# Altium PCB MOTHERBOARD.PcbDoc (part 2 of 4)
Units mm, origin at the board's own origin, x right, y up, seen from the top; angles counter-clockwise.
Board outline 187 x 77 mm, 4 copper layers (Top Copper, Signal Layer 1, Signal Layer 2, Bottom Copper), stack 1.57 mm thick; 287 components, 258 nets, 1217 pads, 1564 vias.
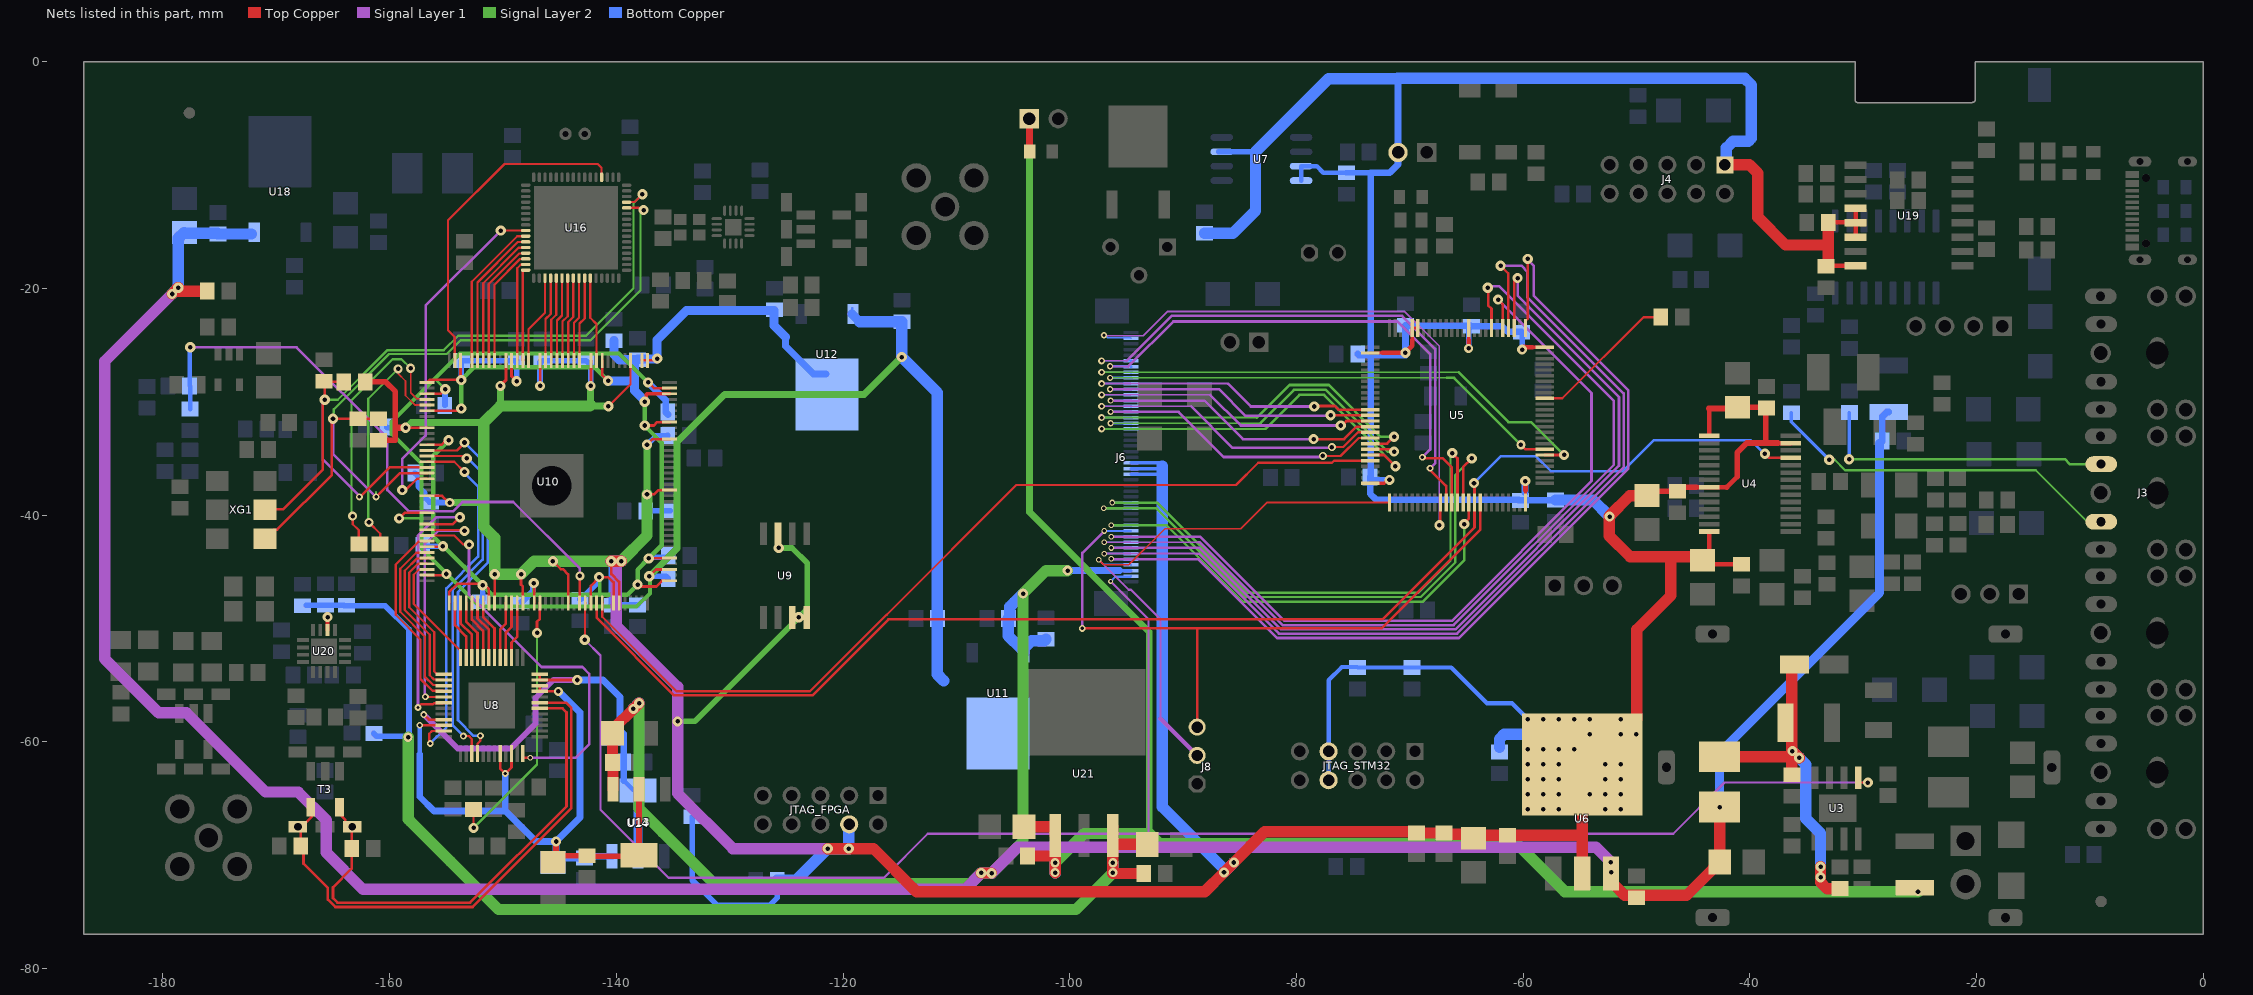
[diagram p4: the nets of this part, all layers, seen from the top]

## Via types
v1: diameter 0.6, hole 0.3, Top Copper to Bottom Copper, tented both sides, 1070 vias
v2: diameter 0.9, hole 0.4, Top Copper to Bottom Copper, tented both sides, 318 vias
v3: diameter 0.5, hole 0.3, Top Copper to Bottom Copper, tented both sides, 87 vias
v4: diameter 0.8, hole 0.4, Top Copper to Bottom Copper, tented both sides, 33 vias
v5: diameter 1, hole 0.7, Top Copper to Bottom Copper, 16 vias
v6: diameter 0.55, hole 0.3, Top Copper to Bottom Copper, tented both sides, 14 vias
v7: diameter 0.7, hole 0.4, Top Copper to Bottom Copper, tented both sides, 8 vias
v8: diameter 4, hole 3, Top Copper to Bottom Copper, 6 vias
v9: diameter 5, hole 3, Top Copper to Bottom Copper, 4 vias
v10: diameter 2, hole 1.5, Top Copper to Bottom Copper, 2 vias
v11: diameter 0.6, hole 0.4, Top Copper to Bottom Copper, tented both sides, 1 vias
v12: diameter 3, hole 2.5, Top Copper to Bottom Copper, 1 vias
v13: diameter 3.5, hole 3, Top Copper to Bottom Copper, 1 vias
v14: diameter 0.5, hole 0.2, Top Copper to Bottom Copper, tented both sides, 1 vias
v15: diameter 4, hole 3.5, Top Copper to Bottom Copper, 1 vias
v16: diameter 0.45, hole 0.2, Top Copper to Bottom Copper, tented both sides, 1 vias

## Nets (pads, with @x,y where several pads share a name; then routed paths per layer and width w, separated by ;. In a path a pad name is that pad's centre, name@x,y a point inside that pad or via, vN(x,y) a via of type N, cw(c..) or ccw(c..) an arc to the next point about the centre after c; other vN are vias at no path point)
5V: C2.1 C6.2 L1.2 L37.2 R2.2 | length 35.5
  Top Copper w1: L37.2@-42.675,-61.314 v2@-35.761,-61.314 ; -36.313,-61.413 -36.313,-62.887 C6.2@-36.3,-62.9 ; v2@-36.313,-60.825 -36.313,-58.337 -36.325,-58.325 -36.325,-53.425 C2.1@-36.075,-53.175 ; v2(-36.25,-60.825) v2(-35.663,-61.413) ; v2(-33.775,-71.025) v2(-33.775,-71.95) -33.775,-72.389 -33.189,-72.975 -32.8,-72.975 ; R2.2@-32.2,-72.8 R2.2@-32.05,-72.95
  Signal Layer 1 w1: v2(-36.25,-60.825) v2(-35.663,-61.413) ; v2(-33.775,-71.95) v2(-33.775,-71.025)
  Signal Layer 2 w1: v2(-36.25,-60.825) v2(-35.663,-61.413) ; v2(-33.775,-71.95) v2(-33.775,-71.025)
  Bottom Copper w1: v2(-36.25,-60.825) v2(-35.663,-61.413) -35.075,-62 -35.075,-66.775 -33.775,-68.075 v2(-33.775,-71.025) v2(-33.775,-71.95)
+1V2: C62.1 C68.2 C69.1 C72.1 C74.1 C82.1 C87.1 C91.1 C95.1 C98.1 U10.1 U10.5 U10.29 U10.34 U10.37 U10.38 U10.45 U10.61 U10.70 U10.73 U10.78 U10.84 U10.102 U10.109 U10.116 U10.124 U10.134 U10.138 U12.4 | length 159.7
  Top Copper w0.23: U10.102@-156.7,-42.8 v2@-155,-42.8 ; U10.84@-156.7,-33.8 -155.413,-33.8 -155.013,-33.4 v2(-154.8,-33.4) ; U10.78@-156.7,-30.8 -154.1,-30.8 v2@-153.9,-30.6 ; U10.73@-156.7,-28.3 -156.477,-28.077 v2@-153.707,-28.077 ; U10.109@-154.75,-47.75 -154.75,-46.794 -154.033,-46.077 -151.923,-46.077 v2(-151.8,-46.2) -151.587,-46.2 -151.291,-46.497 -151.25,-46.497 U10.116@-151.25,-47.75 ; U10.70@-153.75,-26.35 -153.75,-28.034 v2@-153.707,-28.077 ; v2(-153.692,-28.092) v2@-153.707,-28.077 ; v2(-147.3,-46) -147.25,-46.05 U10.124@-147.25,-47.75 ; U10.134@-142.25,-47.75 -142.25,-46.25 -141.527,-45.527 v2(-141.527,-45.475) ; v2@-141.475,-45.475 -140.725,-45.475 -140.25,-45.95 U10.138@-140.25,-47.75 ; U10.45@-141.25,-26.35 -141.25,-27.644 v2(-140.735,-28.159) ; v2(-138.137,-46.135) -137.972,-46.3 -136.478,-46.3 -135.978,-45.8 U10.1@-135.3,-45.8 ; U10.38@-137.75,-26.35 -136.55,-26.35 v2(-136.4,-26.2) ; v2(-137.5,-32.1) -136.7,-32.1 -136.4,-31.8 U10.29@-135.3,-31.8 ; v2(-137.15,-43.825) -137.125,-43.8 U10.5@-135.3,-43.8
  Top Copper w0.3: U10.61@-149.25,-26.35 -149.25,-27.75 v2(-148.8,-28.2) ; v2(-137.5,-30) -137.363,-29.863 -137.363,-29.339 -137.324,-29.3 U10.34@-135.3,-29.3
  Signal Layer 2 w0.23: v2(-155.3,-42.75) -155.25,-42.75 v2@-155.002,-42.75 ; v2@-153.9,-30.6 v2@-153.692,-30.392 ; v2(-148.8,-28.2) -148.762,-28.162 v2@-148.762,-27.87 ; -141.55,-47.05 -141.471,-46.971 -141.475,-46.967 ; v2(-141.527,-45.475) v2@-141.475,-45.527 ; v2@-137.5,-31.9 -137.3,-32.1 v2@-137.3,-32.325 ; v2(-137.15,-43.825) -137.15,-44.05 v2@-137.108,-44.092
  Signal Layer 2 w0.3: -147.3,-47.05 v2(-147.3,-46) ; -141.475,-46.967 v2@-141.475,-45.527
  Signal Layer 2 w0.4: v2(-155.3,-42.75) -156.162,-41.888 -156.162,-34.762 v2(-154.8,-33.4) ; v2@-155.25,-42.75 v2(-151.8,-46.2) -150.95,-47.05 -147.3,-47.05 -141.55,-47.05 -139.052,-47.05 v2(-138.137,-46.135) -138.137,-44.812 v2(-137.15,-43.825) -135.985,-42.66 -135.985,-33.64 v2@-137.3,-32.325 ; v2@-153.692,-30.392 v2(-153.692,-28.092) -152.576,-26.975 -141.919,-26.975 v2(-140.735,-28.159) ; v2@-137.5,-31.9 v2(-137.5,-30)
  Bottom Copper w0.23: v2(-147.3,-46) v2@-147.133,-46.167 ; -138.409,-28.159 -138.4,-28.15 ; v2(-137.15,-43.825) v2@-137.04,-43.715
  Bottom Copper w0.5: C87.1@-157.075,-42.7 -157.025,-42.75 v2(-155.3,-42.75) ; v2(-153.692,-28.092) -153.692,-26.417 C82.1@-153.65,-26.375 -153.638,-26.387 -148.813,-26.387 C74.1@-148.8,-26.4 v2(-148.8,-28.2) ; C91.1@-152,-47.65 -151.8,-47.45 v2(-151.8,-46.2) ; C95.1@-148.4,-47.65 -148.3,-47.65 -147.377,-46.727 -147.377,-46.077 v2(-147.3,-46) ; C98.1@-143.225,-47.425 -143.125,-47.425 -141.552,-45.852 -141.552,-45.5 v2(-141.527,-45.475) ; v2@-137.04,-43.715 C62.1@-135.425,-43.715
  Bottom Copper w0.6: C68.2@-138.4,-26.55 C68.2@-138.15,-26.3 C68.2@-138.1,-26.25 ; v2(-137.5,-30) v2@-137.5,-29.919 ; v2@-136.45,-26.25 v2(-136.4,-26.2) ; -125.074,-24.301 -125.074,-25.1 -122.629,-27.545 U12.4@-121.5,-27.545
  Bottom Copper w0.8: v2(-140.735,-28.159) -138.409,-28.159 ; C72.1@-140.2,-24.625 -140.2,-25.85 -139.75,-26.3 C68.2@-138.15,-26.3 ; C68.2@-138.4,-26.55 -138.4,-28.15 -138.4,-29.019 v2@-137.5,-29.919 ; C68.2@-138.1,-26.25 v2@-136.45,-26.25 ; v2(-136.4,-26.2) -136.4,-24.55 -133.8,-21.95 -126.1,-21.95 -126.1,-23.275 -125.074,-24.301
  other v2: -153.692,-30.6
+2V5: C61.1 C66.2 C67.1 C73.1 C84.1 U10.3 U10.35 U10.75 U10.96 U10.107 U11.4 U12.3 | length 157.6
  Top Copper w0.23: v2(-159.169,-40.294) -158.675,-39.8 U10.96@-156.7,-39.8 ; U10.107@-156.7,-45.3 -154.891,-45.3 -154.991,-45.2 v2(-155,-45.2) ; U10.75@-156.7,-29.3 -155.5,-29.3 v2(-155.1,-28.9) ; v2(-137.2,-28.3) -136.7,-28.8 U10.35@-135.3,-28.8 ; v2(-137.1,-45.4) -136.5,-44.8 U10.3@-135.3,-44.8
  Signal Layer 2 w0.23: v2(-159.169,-40.294) -157.2,-40.294 ; -156.022,-27.95 -156.022,-27.978 v2(-155.1,-28.9) ; v2@-155,-45.149 v2(-155,-45.2) v2@-154.95,-45.2 ; v2(-137.1,-45.4) v2@-137.047,-45.453
  Signal Layer 2 w0.35: v2@-155,-45.149 -157.2,-42.95 -157.2,-40.294 -157.2,-35.472 -159.853,-32.819 -159.853,-31.781 -156.022,-27.95 -153.802,-25.73 -139.77,-25.73 v2(-137.2,-28.3) ; v2@-154.95,-45.2 -152.075,-48.075 -138.209,-48.075 -137.047,-46.913 v2@-137.047,-45.453
  Signal Layer 2 w0.6: v2(-137.1,-45.4) -134.65,-42.95 -134.65,-33.575 -130.45,-29.375 -118.143,-29.375 v2(-114.833,-26.066)
  Bottom Copper w0.23: U12.3@-119.2,-22.275 U12.3@-119.2,-21.745
  Bottom Copper w0.5: C84.1@-155.15,-30.325 -155.125,-30.3 -155.125,-28.925 v2(-155.1,-28.9) ; v2(-137.1,-45.4) -135.625,-45.4 C61.1@-135.425,-45.6
  Bottom Copper w0.6: v2(-137.2,-28.3) -135.649,-29.851 -135.649,-30.926 C73.1@-135.45,-31.125
  Bottom Copper w0.8: U12.3@-119.2,-22.275 -118.525,-22.95
  Bottom Copper w1: -118.525,-22.95 -116.75,-22.95 -114.825,-22.95 v2@-114.825,-26.066 ; v2(-114.833,-26.066) -111.7,-29.199 -111.7,-54.05 -111.125,-54.625
+3V3: BOOT.2 C19.1 C20.1 C21.2 C22.1 C23.2 C24.1 C44.2 C45.2 C46.2 C47.2 C48.2 C49.2 C50.2 C51.1 C52.1 C54.1 C56.2 C59.2 C70.1 C76.1 C79.1 C86.1 C88.1 C94.1 C97.2 C99.1 C100.2 J4.1 J6.24 J6.25 J6.26 JTAG_FPGA.4 JTAG_STM32.7 JTAG_STM32.8 R20.1 R21.1 R24.1 R30.2 R31.2 R32.2 R33.2 R36.1 R37.1 R39.1 R47.2 U4.1 U4.8 U4.14 U4.27 U5.11 U5.20 U5.21 U5.27 U5.50 U5.75 U5.100 U6.2 U6.4 U7.3 U7.7 U7.8 U9.3 U9.7 U9.8 U10.17 U10.26 U10.40 U10.47 U10.56 U10.62 U10.81 U10.93 U10.117 U10.122 U10.130 U10.139 U19.12 U19.13 U19.14 U19.16 | length 670.3
  Top Copper w0.2: v2(-140.7,-30.4) -138.75,-28.45 U10.40@-138.75,-26.35 ; U19.13@-30.722,-14.175 U19.13@-30.687,-14.21
  Top Copper w0.23: v2@-158.4,-32.3 U10.81@-156.7,-32.3 ; U10.93@-156.7,-38.3 -155.376,-38.3 -154.776,-38.9 v4(-154.7,-38.9) ; U10.117@-150.75,-47.75 -150.739,-47.739 v2@-150.739,-45.407 ; v2(-148.412,-45.229) -148.412,-46.144 -148.25,-46.306 U10.122@-148.25,-47.75 ; U10.56@-146.75,-26.35 -146.734,-26.366 v2(-146.734,-28.607) ; v2(-145.6,-44.075) -144.91,-44.765 -144.721,-44.765 -144.25,-45.237 U10.130@-144.25,-47.75 ; v2(-140.45,-44.075) -140.45,-45.208 -139.75,-45.908 U10.139@-139.75,-47.75 ; v2(-137.3,-38.174) -136.662,-38.174 -136.288,-37.8 U10.17@-135.3,-37.8 ; v2(-137.3,-33.8) -136.8,-33.3 U10.26@-135.3,-33.3
  Top Copper w0.254: -149.75,-28.115 U10.62@-149.75,-26.35 ; v2@-142.25,-28.212 U10.47@-142.25,-26.35
  Top Copper w0.3: v2(-150.237,-28.603) -149.75,-28.115 ; U5.50@-73.5,-37.2 -72.253,-37.2 -71.953,-36.9 v2(-71.8,-36.9) ; U5.27@-73.5,-25.7 -72.45,-25.7 ; -69.8,-24.55 U5.21@-69.8,-23.5 U5.20@-69.3,-23.5 ; -64.8,-24.55 U5.11@-64.8,-23.5 ; U5.75@-59.8,-38.9 -59.8,-37.85 ; -59.15,-25.2 U5.100@-58.1,-25.2 ; C97.2@-33.3,-18.05 C97.2@-33.27,-18.02
  Top Copper w0.4: -72.45,-25.7 v2@-70.6,-25.7 ; v2(-70.4,-25.675) -69.8,-25.075 -69.8,-24.55 ; v4@-64.8,-25.082 -64.8,-24.55 ; v2@-60.016,-36.973 -59.8,-37.189 -59.8,-37.85 ; v2@-59.9,-25.2 -59.15,-25.2 ; -44.75,-37.55 U4.8@-43.6,-37.55 -42.05,-37.55 ; -43.625,-30.6 -43.6,-30.625 U4.1@-43.6,-33 ; U4.14@-43.6,-41.45 -43.6,-43.4 C22.1@-44.2,-44 -43.85,-44.35 C21.2@-40.725,-44.35 ; -37.55,-33.65 U4.27@-36.4,-33.65 ; C97.2@-33.22,-18.02 U19.16@-30.687,-18.02 ; C100.2@-32.625,-14.175 U19.13@-30.722,-14.175 ; U19.14@-30.687,-15.48 U19.13@-30.687,-14.21 U19.12@-30.687,-12.94
  Top Copper w0.45: -42.05,-37.55 -41.125,-36.625
  Top Copper w0.5: R20.1@-162.15,-28.25 -160.35,-28.25 -159.5,-29.1 -159.5,-33.4 R21.1@-161,-33.4 ; v2(-60.1,-25.4) v2@-59.9,-25.2 ; U6.4@-54.354,-65.2 -53.079,-63.925 -50.95,-63.925 U6.4@-50.575,-64.3 ; U6.4@-50.4,-64.3 U6.4@-50.4,-59.5 ; C24.1@-48.7,-37.9 C23.2@-46.4,-37.9 -46.05,-37.55 -44.75,-37.55 ; -43.625,-30.6 -41.2,-30.6 C20.1@-41.1,-30.5 -38.6,-30.5 C19.1@-38.55,-30.55 -38.6,-30.6 -38.6,-33.637 ; -41.125,-36.625 -41.125,-34.475 -40.287,-33.637 -38.6,-33.637 ; -37.55,-33.65 -38.274,-33.65 -38.287,-33.637 -38.6,-33.637
  Top Copper w0.6: -159.2,-32.3 v2(-158.6,-32.3)
  Top Copper w0.8: -54.806,-68.25 -54.8,-68.244
  Top Copper w1: v2(-140.45,-44.075) v2(-139.575,-44.075) ; v2(-121.35,-69.425) v2(-119.5,-69.425) -117.321,-69.425 -113.521,-73.225 -88.1,-73.225 v2(-86.4,-71.525) v2(-85.525,-70.65) -82.8,-67.925 -69.425,-67.925 -69.3,-68.05 C44.2@-67.148,-68.05 ; C44.2@-66.998,-68.15 C54.1@-64.4,-68.15 ; C54.1@-64.15,-68.25 C56.2@-61.4,-68.25 -54.806,-68.25 ; U6.2@-54.8,-71.6 -54.8,-68.244 U6.4@-54.8,-62 -53.669,-60.869 U6.4@-53.669,-58.76 ; U6.4@-52.434,-60.434 -50,-58 -50,-57.2 -49.975,-57.175 -49.975,-50.1 -46.975,-47.1 -46.975,-43.774 -47.084,-43.665 ; v2@-52.409,-40.165 -52.409,-41.841 -50.585,-43.665 -47.084,-43.665 ; v2@-52.409,-40.105 -50.591,-38.287 -49.087,-38.287 C24.1@-49.074,-38.274 ; C22.1@-44.2,-44 -44.535,-43.665 -47.084,-43.665 ; J4.1@-42.21,-9.1 -40.05,-9.1 -39.3,-9.85 -39.3,-13.725 -36.85,-16.175 -33.1,-16.175 ; C97.2@-33.3,-18.05 -33.25,-18.05 -33.22,-18.02 -33.1,-17.9 -33.1,-16.175 ; C100.2@-33.1,-14.175 -33.1,-16.175
  Signal Layer 1 w1: v2(-140.45,-44.075) -140.05,-44.075 v2(-139.575,-44.075) ; v2@-140.027,-44.098 -140.027,-49.734 -134.6,-55.161 v2(-134.6,-58.2) -134.6,-64.55 -129.725,-69.425 v2(-121.35,-69.425) v2(-119.5,-69.425) ; v2(-86.4,-71.525) v2(-85.525,-70.65)
  Signal Layer 2 w0.5: -142.277,-30.323 -142.225,-30.375 ; v2@-140.725,-30.375 v2(-140.7,-30.4) ; v2(-134.6,-58.2) -133.088,-58.2 v2(-123.906,-49.017) -123.156,-48.268 -123.156,-44.251 -124.505,-42.902 v2(-125.674,-42.902)
  Signal Layer 2 w0.6: v2(-158.6,-32.3) -158.561,-32.3 -158.099,-31.838 -151.7,-31.838 ; v4(-154.7,-38.9) -151.7,-38.9 ; -150.237,-30.375 v2(-150.237,-28.603) ; -142.277,-30.323 v2(-142.277,-28.607) ; -142.225,-30.375 v2@-140.725,-30.375 ; v2(-137.3,-38.174) v2(-137.3,-33.8)
  Signal Layer 2 w1: -142.277,-30.323 -142.329,-30.375 -150.237,-30.375 -151.7,-31.838 -151.7,-38.9 -151.7,-41.05 -150.739,-42.011 v2(-150.739,-45.229) v2(-148.412,-45.229) -147.258,-44.075 v2(-145.6,-44.075) v2(-140.45,-44.075) v2(-139.575,-44.075) -137.3,-41.8 v2(-137.3,-38.174) ; v2(-121.35,-69.425) v2(-119.5,-69.425) ; v2(-86.4,-71.525) v2(-85.525,-70.65)
  Bottom Copper w0.3: J6.26@-94.6,-36.4 -92.375,-36.4 ; J6.25@-94.6,-35.9 -91.851,-35.9 ; J6.24@-94.6,-35.4 -92.129,-35.4 -91.876,-35.653 -91.851,-35.678
  Bottom Copper w0.381: JTAG_STM32.8@-77.17,-63.39 JTAG_STM32.7@-77.17,-60.85 -77.17,-54.57 -76,-53.4 -74.65,-53.4 R37.1@-74.6,-53.45 R33.2@-69.8,-53.45 -66.35,-53.45 -63.2,-56.6 -61,-56.6 v2(-59.6,-58)
  Bottom Copper w0.4: U7.8@-79.6,-10.495 U7.7@-79.6,-9.225 -78.2,-9.225 -77.63,-9.795 C59.2@-75.605,-9.795
  Bottom Copper w0.5: C86.1@-160.25,-32.25 -160.2,-32.3 v2(-158.6,-32.3) ; R24.1@-157.775,-36.3 -157.482,-36.593 -157.482,-37.468 -156.9,-38.05 -156.9,-38.45 -156.5,-38.85 C88.1@-156.4,-38.85 ; C88.1@-155.9,-38.9 v4(-154.7,-38.9) ; v2(-146.734,-28.607) -146.734,-26.534 C79.1@-146.575,-26.375 C76.1@-142.675,-26.375 -142.277,-26.773 v2(-142.277,-28.607) ; v2(-140.45,-44.075) -140.45,-47.85 C94.1@-140.35,-47.95 -140.338,-47.938 -138.138,-47.938 C99.1@-138.125,-47.925 ; v2(-137.3,-38.174) -137.35,-38.224 -137.35,-39.6 -137.325,-39.625 R47.2@-135.25,-39.625 ; v2(-137.3,-33.8) -136.518,-33.018 -135.518,-33.018 C70.1@-135.475,-32.975 ; R32.2@-133.311,-66.619 -133.311,-72.224 -131.125,-74.41 -126.457,-74.41 -125.819,-73.771 -125.819,-72.232 R31.2@-125.805,-72.219 ; JTAG_FPGA.4@-119.475,-67.298 JTAG_FPGA.4@-119.461,-67.285 ; U7.3@-86.875,-7.96 -86.865,-7.95 -83.625,-7.95 ; C59.2@-75.605,-9.795 -73.452,-9.795 ; C46.2@-73.452,-36.9 v2(-71.8,-36.9) ; v4(-64.813,-25.294) -64.813,-23.588 C51.1@-64.575,-23.35 ; C50.2@-60.15,-23.875 -60.1,-23.925 v2(-60.1,-25.4)
  Bottom Copper w0.6: C49.2@-74.6,-25.8 -74.5,-25.9 -73.452,-25.9 ; C46.2@-73.497,-36.653 -73.497,-38.125 -72.975,-38.647 C48.2@-60.425,-38.647 ; C46.2@-73.449,-36.625 -73.452,-25.9 ; -71.075,-1.475 -71.045,-1.505 -71.045,-9.07 -71.77,-9.795 -73.452,-9.795 -73.452,-25.9 ; C48.2@-60.4,-38.7 -57.175,-38.7 C47.2@-57.15,-38.675 ; C50.2@-60.15,-23.875 -60.2,-23.825 -61.375,-23.825 -61.85,-23.35 C51.1@-64.575,-23.35 -64.625,-23.3 -70.35,-23.3 C52.1@-70.4,-23.25 v2(-70.4,-25.675) -70.4,-25.9 -73.452,-25.9 ; -59.845,-38.023 v2@-59.845,-37.02
  Bottom Copper w1: v2(-140.45,-44.075) v2(-139.575,-44.075) ; R31.2@-125.805,-72.219 -124.144,-72.219 v2(-121.35,-69.425) v2(-119.5,-69.425) -119.5,-67.324 JTAG_FPGA.4@-119.475,-67.298 ; -91.875,-65.725 v2@-86.389,-71.211 ; -91.851,-65.701 -91.851,-35.678 ; R39.1@-88.125,-15.15 -85.625,-15.15 -83.625,-13.15 -83.625,-7.95 -77.18,-1.505 -71.045,-1.505 ; v2(-86.4,-71.525) v2(-85.525,-70.65) ; -71.075,-1.475 -40.461,-1.475 -39.875,-2.061 -39.875,-6.745 -40.155,-7.025 -41.492,-7.025 -42.078,-7.611 -42.078,-8.968 J4.1@-42.21,-9.1 ; R36.1@-62.1,-60.5 -62.1,-59.75 -61.675,-59.325 v2(-54.129,-59.325) ; C47.2@-57.15,-38.675 -53.84,-38.675 -52.409,-40.105 v2(-52.38,-40.135) ; v2(-51.393,-59.325) v2(-50.025,-59.325)
  other v2: -59.6,-65.95 -58.232,-65.95 -56.864,-65.95 -52.761,-65.95 -51.393,-65.95 -59.6,-64.625 -58.232,-64.625 -56.864,-64.625 -54.129,-64.625 -52.761,-64.625 -51.393,-64.625 -59.6,-63.3 -58.232,-63.3 -56.864,-63.3 -52.761,-63.3 -51.393,-63.3 -59.6,-61.975 -58.232,-61.975 -56.864,-61.975 -52.761,-61.975 -51.393,-61.975 -59.6,-60.65 -58.232,-60.65 -56.864,-60.65 -55.496,-60.65 -58.232,-58 -56.864,-58 -55.496,-58 -54.129,-58 -51.393,-58 -59.825,-37
+5: C14.1 C53.2 C60.1 C64.2 C65.1 C80.1 C81.2 C123.2 C125.1 J6.43 L3.1 L9.2 L37.1 U6.3 U11.3 U13.3 U18.3 | length 357.6
  Top Copper w0.5: U6.3@-52.275,-71.938 -52.275,-72.325 U6.3@-52,-72.6
  Top Copper w0.95: U13.3@-140.3,-64.2 -140.3,-62.625
  Top Copper w1: v2(-179.2,-20.5) -179.018,-20.318 -178.95,-20.25 L3.1@-176.1,-20.25 ; v2@-179.018,-20.317 v2@-178.651,-19.95 ; -140.3,-62.625 -140.3,-61.8 -140.35,-61.75 C80.1@-140.35,-59.25 -140.2,-59.1 -140.2,-58.8 v2(-138.5,-57.1) v2(-138,-56.6) ; v2(-107.812,-71.575) v2@-106.925,-71.575 ; U6.3@-52,-72.6 -51.05,-73.55 -45.6,-73.55 -43.275,-71.225 -43.175,-71.225 -42.675,-70.725 C60.1@-42.675,-70.625 v2(-42.675,-65.759)
  Signal Layer 1 w1: v2(-179.2,-20.5) -185.145,-26.444 -185.145,-52.68 -180.375,-57.45 -177.925,-57.45 -170.95,-64.425 -168.075,-64.425 -165.6,-66.9 -165.6,-69.775 -162.35,-73.025 -109.262,-73.025 v2(-107.812,-71.575) v2@-106.925,-71.575 ; v2(-179.2,-20.5) v2@-179.018,-20.318 ; v2@-179.018,-20.317 v2@-178.651,-19.95 ; v2(-138.5,-57.1) v2(-138,-56.6) ; v2(-106.9,-71.6) -104.603,-69.303 -103.825,-69.303 -56.75,-69.303 -53.584,-69.303 v2(-52.263,-70.625) v2@-52.263,-71.512
  Signal Layer 2 w1: v2(-179.2,-20.5) -179.017,-20.317 v2(-178.65,-19.95) ; v2(-138,-56.6) -138,-61.25 -138,-65.9 -135.9,-68 -131.4,-72.5 -108.737,-72.5 v2(-107.812,-71.575) v2@-106.925,-71.575 ; v2(-106.9,-71.6) -104.125,-68.825 v2(-104.125,-46.925) -102.1,-44.9 v2(-100.2,-44.9) ; v2(-52.25,-71.525) v2@-52.25,-70.638
  Bottom Copper w0.3: -95.591,-44.894 -95.585,-44.9 J6.43@-94.6,-44.9
  Bottom Copper w0.5: U18.3@-172.185,-15.2 U18.3@-172.035,-15.05
  Bottom Copper w0.6: v2@-100.143,-44.857 -100.104,-44.857 -100.061,-44.9 -96.71,-44.9 -96.704,-44.894 -95.591,-44.894 ; C14.1@-28.561,-33.711 C14.1@-28.325,-33.475 -28.325,-31.3 -27.925,-30.9 L9.2@-27.75,-30.9
  Bottom Copper w0.8: v2(-42.675,-65.759) -42.675,-60.95 -28.561,-46.836 C14.1@-28.561,-33.711
  Bottom Copper w1: v2(-179.2,-20.5) v2@-179.018,-20.318 ; v2@-179.018,-20.317 -178.651,-19.95 -178.65,-15.575 -178.15,-15.075 C125.1@-178.1,-15.075 -178.037,-15.138 -175.217,-15.138 C123.2@-175.154,-15.2 U18.3@-172.185,-15.2 ; v2(-138.5,-57.1) v2(-138,-56.6) ; v2(-107.812,-71.575) v2@-106.925,-71.575 ; C64.2@-105.45,-49.225 -105.446,-49.229 -105.446,-50.643 -104.314,-51.775 U11.3@-104.05,-51.775 ; C64.2@-105.45,-49.125 -105.3,-48.975 -105.3,-48.1 -104.9,-47.7 v2(-104.125,-46.925) ; U11.3@-104.05,-52.15 U11.3@-104.05,-51.775 ; C65.1@-102.1,-50.95 -102.25,-51.1 -103.375,-51.1 U11.3@-104.05,-51.775 ; v2@-52.263,-71.512 v2(-52.263,-70.625)
+12: C89.2 C90.2 C92.2 C108.1 C110.2 R25.2 U20.14 U21.3 | length 110.3
  Top Copper w0.35: U20.14@-165.475,-50.15 v2@-165.475,-49.075
  Top Copper w0.381: v2@-165.475,-49.075 v2@-165.4,-49
  Top Copper w1: U21.3@-96.205,-70.073 -96.205,-68.28 U21.3@-96.21,-68.275 -96.21,-67.505 U21.3@-96.205,-67.5 ; U21.3@-96.205,-69.05 C108.1@-93.175,-69.05 ; v4@-96.2,-71.623 C110.2@-93.477,-71.623 ; v4(-96.2,-71.55) v4(-96.2,-70.675) U21.3@-96.2,-70.073
  Signal Layer 1 w1: v4(-96.2,-71.55) v4(-96.2,-70.675)
  Signal Layer 2 w1: v4(-158.375,-59.6) -158.375,-66.825 -158.2,-67 -154.626,-70.574 -153.574,-71.626 -150.4,-74.8 -99.45,-74.8 v4(-96.2,-71.55) v4(-96.2,-70.675)
  Bottom Copper w0.5: C92.2@-167.35,-47.95 C90.2@-165.65,-47.95 -164.05,-47.95 -164,-48 -160.4,-48 -158.3,-50.1 -158.3,-59.525 v4(-158.375,-59.6) -158.448,-59.527 -161.148,-59.527 R25.2@-161.4,-59.275